# KiCad board Keyboard.kicad_pcb (continued)
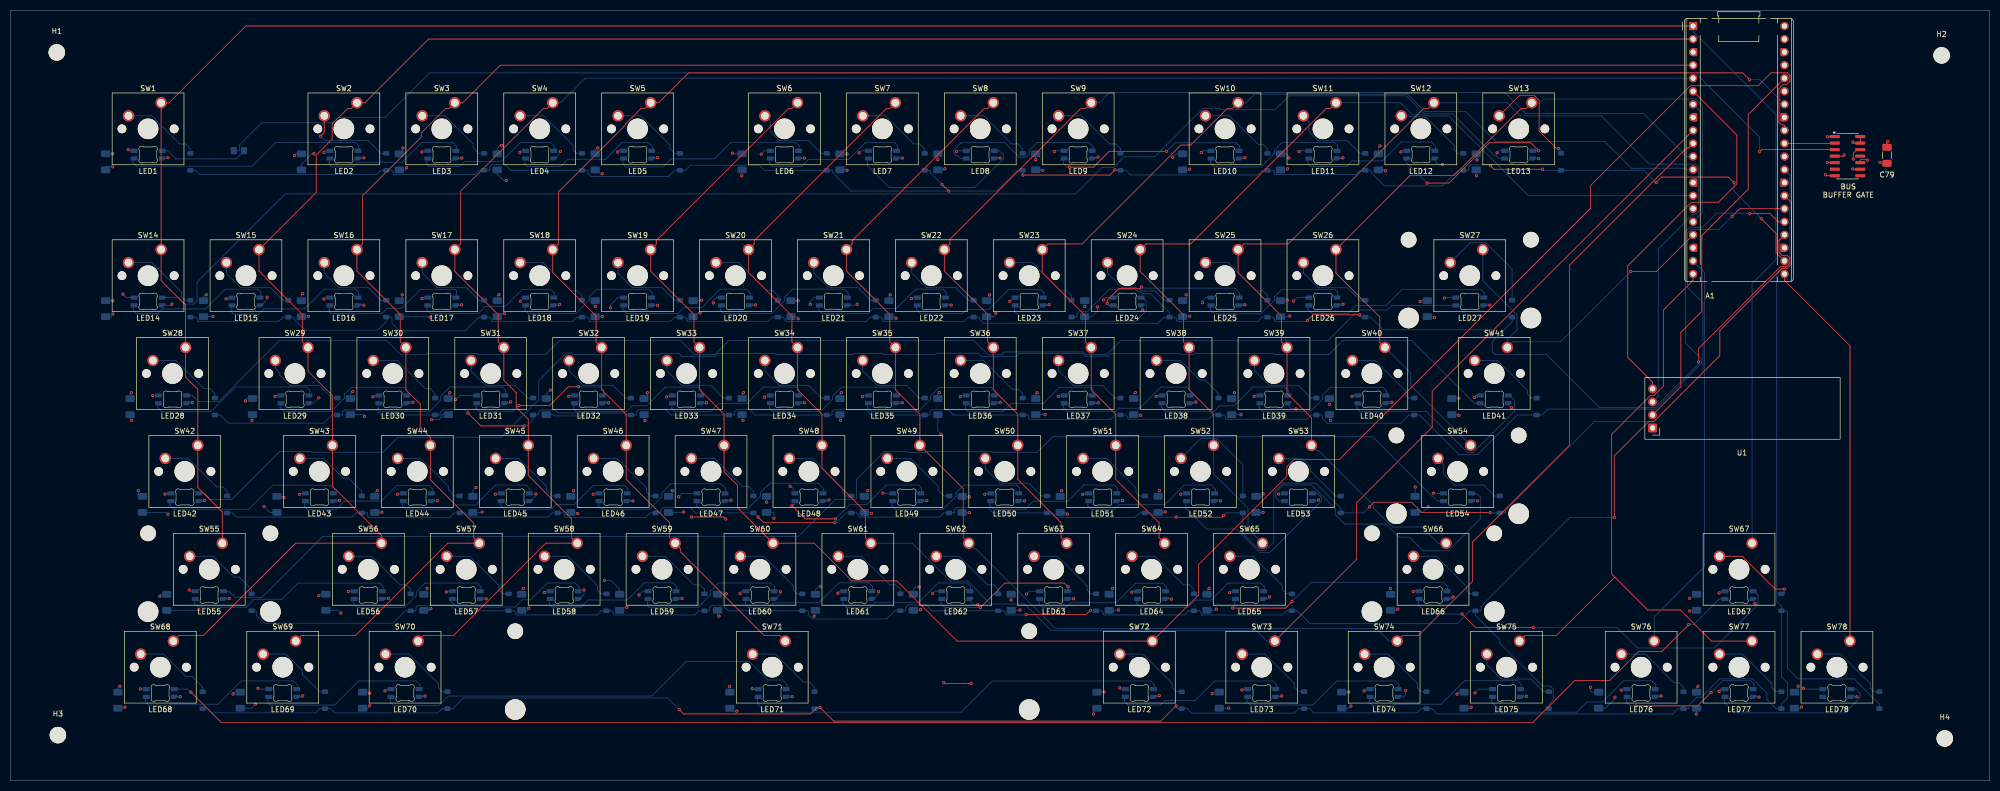
[diagram p0: board, top side]
## Footprints (pads in the part's own frame, mm; a bottom-side part is the same pattern mirrored in y, then rotated)
C_1206_3216Metric_Pad1.33x1.80mm_HandSolder
  rrect 1.325x1.8 smd: 1(-1.562,0) 2(1.562,0)
D_SOD-123
  rrect 0.9x1.2 smd: 1(-1.65,0) 2(1.65,0)
ER_OLEDM0.91_1x-I2C
  rrect 1.7x1.7 hole 1: 1(0,0)
  round 1.7 hole 1: 2(2.54,0) 3(5.08,0) 4(7.62,0)
LED_MX_6028R
  rrect 1.35x0.82 smd: 1(2.725,0.75) 2(2.725,-0.75) 3(-2.725,-0.75) 4(-2.725,0.75)
MountingHole_3.2mm_M3
  round 3.2 hole 3.2 unplated: (0,0)
R_0805_2012Metric_Pad1.20x1.40mm_HandSolder
  rrect 1.2x1.4 smd: 1(-1,0) 2(1,0)
RaspberryPi_Pico_Common_THT
  rrect 1.6x1.6 hole 1: 1(0,0)
  round 1.6 hole 1: 2(0,-2.54) 4(0,-7.62) 5(0,-10.16) 6(0,-12.7) 7(0,-15.24) 9(0,-20.32) 10(0,-22.86) 11(0,-25.4) 12(0,-27.94) 14(0,-33.02) 15(0,-35.56) 16(0,-38.1) 17(0,-40.64) 19(0,-45.72) 20(0,-48.26) 21(17.78,-48.26) 22(17.78,-45.72) 24(17.78,-40.64) 25(17.78,-38.1) 26(17.78,-35.56) 27(17.78,-33.02) 29(17.78,-27.94) 30(17.78,-25.4) 31(17.78,-22.86) 32(17.78,-20.32) 34(17.78,-15.24) 35(17.78,-12.7) 36(17.78,-10.16) 37(17.78,-7.62) 39(17.78,-2.54) 40(17.78,0)
  custom 1.6x1.6 hole 1: 3(0,-5.08) 8(0,-17.78) 13(0,-30.48) 18(0,-43.18) 23(17.78,-43.18) 28(17.78,-30.48) 33(17.78,-17.78) 38(17.78,-5.08)
SOIC-14_3.9x8.7mm_P1.27mm
  rrect 1.95x0.6 smd: 1(-2.475,3.81) 2(-2.475,2.54) 3(-2.475,1.27) 4(-2.475,0) 5(-2.475,-1.27) 6(-2.475,-2.54) 7(-2.475,-3.81) 8(2.475,-3.81) 9(2.475,-2.54) 10(2.475,-1.27) 11(2.475,0) 12(2.475,1.27) 13(2.475,2.54) 14(2.475,3.81)
SW_Cherry_MX_1.00u_PCB
  round 1.7 hole 1.7 unplated: (-7.62,-5.08) (2.54,-5.08)
  round 4 hole 4 unplated: (-2.54,-5.08)
  round 2.2 hole 1.5: 1(0,0) 2(-6.35,-2.54)
SW_Cherry_MX_1.25u_PCB
  round 1.7 hole 1.7 unplated: (-7.62,-5.08) (2.54,-5.08)
  round 4 hole 4 unplated: (-2.54,-5.08)
  round 2.2 hole 1.5: 1(0,0) 2(-6.35,-2.54)
SW_Cherry_MX_1.50u_PCB
  round 1.7 hole 1.7 unplated: (-7.62,-5.08) (2.54,-5.08)
  round 4 hole 4 unplated: (-2.54,-5.08)
  round 2.2 hole 1.5: 1(0,0) 2(-6.35,-2.54)
SW_Cherry_MX_1.75u_PCB
  round 1.7 hole 1.7 unplated: (-7.62,-5.08) (2.54,-5.08)
  round 4 hole 4 unplated: (-2.54,-5.08)
  round 2.2 hole 1.5: 1(0,0) 2(-6.35,-2.54)
SW_Cherry_MX_2.00u_PCB
  round 3.05 hole 3.05 unplated: (-14.44,1.92) (9.36,1.92)
  round 4 hole 4 unplated: (-14.44,-13.32) (-2.54,-5.08) (9.36,-13.32)
  round 1.7 hole 1.7 unplated: (-7.62,-5.08) (2.54,-5.08)
  round 2.2 hole 1.5: 1(0,0) 2(-6.35,-2.54)
SW_Cherry_MX_2.25u_PCB
  round 3.05 hole 3.05 unplated: (-14.44,1.92) (9.36,1.92)
  round 4 hole 4 unplated: (-14.44,-13.32) (-2.54,-5.08) (9.36,-13.32)
  round 1.7 hole 1.7 unplated: (-7.62,-5.08) (2.54,-5.08)
  round 2.2 hole 1.5: 1(0,0) 2(-6.35,-2.54)
SW_Cherry_MX_2.75u_PCB
  round 3.05 hole 3.05 unplated: (-14.44,1.92) (9.36,1.92)
  round 4 hole 4 unplated: (-14.44,-13.32) (-2.54,-5.08) (9.36,-13.32)
  round 1.7 hole 1.7 unplated: (-7.62,-5.08) (2.54,-5.08)
  round 2.2 hole 1.5: 1(0,0) 2(-6.35,-2.54)
SW_Cherry_MX_6.25u_PCB
  round 3.05 hole 3.05 unplated: (-52.54,1.92) (47.46,1.92)
  round 4 hole 4 unplated: (-52.54,-13.32) (-2.54,-5.08) (47.46,-13.32)
  round 1.7 hole 1.7 unplated: (-7.62,-5.08) (2.54,-5.08)
  round 2.2 hole 1.5: 1(0,0) 2(-6.35,-2.54)

## Nets
+3.3V: A1.36 U1.2
+5V: A1.40 C1.1 C2.1 C3.1 C4.1 C5.1 C6.1 C7.1 C8.1 C9.1 C10.1 C11.1 C12.1 C13.1 C14.1 C15.1 C16.1 C17.1 C18.1 C19.1 C20.1 C21.1 C22.1 C23.1 C24.1 C25.1 C26.1 C27.1 C28.1 C29.1 C30.1 C31.1 C32.1 C33.1 C34.1 C35.1 C36.1 C37.1 C38.1 C39.1 C40.1 C41.1 C42.1 C43.1 C44.1 C45.1 C46.1 C47.1 C48.1 C49.1 C50.1 C51.1 C52.1 C53.1 C54.1 C55.1 C56.1 C57.1 C58.1 C59.1 C60.1 C61.1 C62.1 C63.1 C64.1 C65.1 C66.1 C67.1 C68.1 C69.1 C70.1 C71.1 C72.1 C73.1 C74.1 C75.1 C76.1 C77.1 C78.1 C79.1 LED1.1 LED2.1 LED3.1 LED4.1 LED5.1 LED6.1 LED7.1 LED8.1 LED9.1 LED10.1 LED11.1 LED12.1 LED13.1 LED14.1 LED15.1 LED16.1 LED17.1 LED18.1 LED19.1 LED20.1 LED21.1 LED22.1 LED23.1 LED24.1 LED25.1 LED26.1 LED27.1 LED28.1 LED29.1 LED30.1 LED31.1 LED32.1 LED33.1 LED34.1 LED35.1 LED36.1 LED37.1 LED38.1 LED39.1 LED40.1 LED41.1 LED42.1 LED43.1 LED44.1 LED45.1 LED46.1 LED47.1 LED48.1 LED49.1 LED50.1 LED51.1 LED52.1 LED53.1 LED54.1 LED55.1 LED56.1 LED57.1 LED58.1 LED59.1 LED60.1 LED61.1 LED62.1 LED63.1 LED64.1 LED65.1 LED66.1 LED67.1 LED68.1 LED69.1 LED70.1 LED71.1 LED72.1 LED73.1 LED74.1 LED75.1 LED76.1 LED77.1 LED78.1 U2.4 U2.10 U2.13 U2.14
GND: A1.3 A1.8 A1.13 A1.18 A1.23 A1.28 A1.33 A1.38 C1.2 C2.2 C3.2 C4.2 C5.2 C6.2 C7.2 C8.2 C9.2 C10.2 C11.2 C12.2 C13.2 C14.2 C15.2 C16.2 C17.2 C18.2 C19.2 C20.2 C21.2 C22.2 C23.2 C24.2 C25.2 C26.2 C27.2 C28.2 C29.2 C30.2 C31.2 C32.2 C33.2 C34.2 C35.2 C36.2 C37.2 C38.2 C39.2 C40.2 C41.2 C42.2 C43.2 C44.2 C45.2 C46.2 C47.2 C48.2 C49.2 C50.2 C51.2 C52.2 C53.2 C54.2 C55.2 C56.2 C57.2 C58.2 C59.2 C60.2 C61.2 C62.2 C63.2 C64.2 C65.2 C66.2 C67.2 C68.2 C69.2 C70.2 C71.2 C72.2 C73.2 C74.2 C75.2 C76.2 C77.2 C78.2 C79.2 LED1.3 LED2.3 LED3.3 LED4.3 LED5.3 LED6.3 LED7.3 LED8.3 LED9.3 LED10.3 LED11.3 LED12.3 LED13.3 LED14.3 LED15.3 LED16.3 LED17.3 LED18.3 LED19.3 LED20.3 LED21.3 LED22.3 LED23.3 LED24.3 LED25.3 LED26.3 LED27.3 LED28.3 LED29.3 LED30.3 LED31.3 LED32.3 LED33.3 LED34.3 LED35.3 LED36.3 LED37.3 LED38.3 LED39.3 LED40.3 LED41.3 LED42.3 LED43.3 LED44.3 LED45.3 LED46.3 LED47.3 LED48.3 LED49.3 LED50.3 LED51.3 LED52.3 LED53.3 LED54.3 LED55.3 LED56.3 LED57.3 LED58.3 LED59.3 LED60.3 LED61.3 LED62.3 LED63.3 LED64.3 LED65.3 LED66.3 LED67.3 LED68.3 LED69.3 LED70.3 LED71.3 LED72.3 LED73.3 LED74.3 LED75.3 LED76.3 LED77.3 LED78.3 U1.1 U2.1 U2.5 U2.7 U2.9 U2.12
COLUMN 1: A1.1 SW1.1 SW14.1 SW28.1 SW42.1 SW55.1 SW67.1
COLUMN 2: A1.2 SW2.1 SW15.1 SW29.1 SW43.1 SW56.1 SW68.1
COLUMN 3: A1.4 SW3.1 SW16.1 SW30.1 SW44.1 SW57.1 SW69.1
COLUMN 4: A1.5 SW4.1 SW17.1 SW31.1 SW45.1 SW58.1 SW70.1
COLUMN 5: A1.34 SW5.1 SW18.1 SW32.1 SW46.1 SW59.1 SW71.1
COLUMN 6: A1.32 SW6.1 SW19.1 SW33.1 SW47.1 SW60.1 SW72.1
COLUMN 7: A1.9 SW7.1 SW20.1 SW34.1 SW48.1 SW61.1 SW73.1
COLUMN 8: A1.10 SW8.1 SW21.1 SW35.1 SW49.1 SW62.1 SW74.1
COLUMN 9: A1.11 SW9.1 SW22.1 SW36.1 SW50.1 SW63.1
COLUMN 10: A1.12 SW10.1 SW23.1 SW37.1 SW51.1 SW64.1
COLUMN 11: A1.14 SW11.1 SW24.1 SW38.1 SW52.1 SW65.1
COLUMN 12: A1.15 SW12.1 SW25.1 SW39.1 SW53.1 SW66.1
COLUMN 13: A1.16 SW13.1 SW26.1 SW40.1 SW54.1
COLUMN 14: A1.17 SW27.1 SW41.1
COLUMN 15: A1.19 SW76.1
COLUMN 16: A1.20 SW75.1 SW77.1
COLUMN 17: A1.21 SW78.1
LED: A1.31 U2.2
ROW 1: A1.22 D1.1 D2.1 D3.1 D4.1 D5.1 D6.1 D7.1 D8.1 D9.1 D10.1 D11.1 D12.1 D13.1
ROW 2: A1.24 D14.1 D15.1 D16.1 D17.1 D18.1 D19.1 D20.1 D21.1 D22.1 D23.1 D24.1 D25.1 D26.1 D27.1
ROW 3: A1.25 D28.1 D29.1 D30.1 D31.1 D32.1 D33.1 D34.1 D35.1 D36.1 D37.1 D38.1 D39.1 D40.1 D41.1
ROW 4: A1.26 D42.1 D43.1 D44.1 D45.1 D46.1 D47.1 D48.1 D49.1 D50.1 D51.1 D52.1 D53.1 D54.1
ROW 5: A1.27 D55.1 D56.1 D57.1 D58.1 D59.1 D60.1 D61.1 D62.1 D63.1 D64.1 D65.1 D66.1 D75.1
ROW 6: A1.29 D67.1 D68.1 D69.1 D70.1 D71.1 D72.1 D73.1 D74.1 D76.1 D77.1 D78.1
SCL: A1.7 U1.3
SDA: A1.6 U1.4
Net-(D1-A): D1.2 SW1.2
Net-(D2-A): D2.2 SW2.2
Net-(D3-A): D3.2 SW3.2
Net-(D4-A): D4.2 SW4.2
Net-(D5-A): D5.2 SW5.2
Net-(D6-A): D6.2 SW6.2
Net-(D7-A): D7.2 SW7.2
Net-(D8-A): D8.2 SW8.2
Net-(D9-A): D9.2 SW9.2
Net-(D10-A): D10.2 SW10.2
Net-(D11-A): D11.2 SW11.2
Net-(D12-A): D12.2 SW12.2
Net-(D13-A): D13.2 SW13.2
Net-(D14-A): D14.2 SW14.2
Net-(D15-A): D15.2 SW15.2
Net-(D16-A): D16.2 SW16.2
Net-(D17-A): D17.2 SW17.2
Net-(D18-A): D18.2 SW18.2
Net-(D19-A): D19.2 SW19.2
Net-(D20-A): D20.2 SW20.2
Net-(D21-A): D21.2 SW21.2
Net-(D22-A): D22.2 SW22.2
Net-(D23-A): D23.2 SW23.2
Net-(D24-A): D24.2 SW24.2
Net-(D25-A): D25.2 SW25.2
Net-(D26-A): D26.2 SW26.2
Net-(D27-A): D27.2 SW27.2
Net-(D28-A): D28.2 SW28.2
Net-(D29-A): D29.2 SW29.2
Net-(D30-A): D30.2 SW30.2
Net-(D31-A): D31.2 SW31.2
Net-(D32-A): D32.2 SW32.2
Net-(D33-A): D33.2 SW33.2
Net-(D34-A): D34.2 SW34.2
Net-(D35-A): D35.2 SW35.2
Net-(D36-A): D36.2 SW36.2
Net-(D37-A): D37.2 SW37.2
Net-(D38-A): D38.2 SW38.2
Net-(D39-A): D39.2 SW39.2
Net-(D40-A): D40.2 SW40.2
Net-(D41-A): D41.2 SW41.2
Net-(D42-A): D42.2 SW42.2
Net-(D43-A): D43.2 SW43.2
Net-(D44-A): D44.2 SW44.2
Net-(D45-A): D45.2 SW45.2
Net-(D46-A): D46.2 SW46.2
Net-(D47-A): D47.2 SW47.2
Net-(D48-A): D48.2 SW48.2
Net-(D49-A): D49.2 SW49.2
Net-(D50-A): D50.2 SW50.2
Net-(D51-A): D51.2 SW51.2
Net-(D52-A): D52.2 SW52.2
Net-(D53-A): D53.2 SW53.2
Net-(D54-A): D54.2 SW54.2
Net-(D55-A): D55.2 SW55.2
Net-(D56-A): D56.2 SW56.2
Net-(D57-A): D57.2 SW57.2
Net-(D58-A): D58.2 SW58.2
Net-(D59-A): D59.2 SW59.2
Net-(D60-A): D60.2 SW60.2
Net-(D61-A): D61.2 SW61.2
Net-(D62-A): D62.2 SW62.2
Net-(D63-A): D63.2 SW63.2
Net-(D64-A): D64.2 SW64.2
Net-(D65-A): D65.2 SW65.2
Net-(D66-A): D66.2 SW66.2
Net-(D67-A): D67.2 SW67.2
Net-(D68-A): D68.2 SW68.2
Net-(D69-A): D69.2 SW69.2
Net-(D70-A): D70.2 SW70.2
Net-(D71-A): D71.2 SW71.2
Net-(D72-A): D72.2 SW72.2
Net-(D73-A): D73.2 SW73.2
Net-(D74-A): D74.2 SW74.2
Net-(D75-A): D75.2 SW75.2
Net-(D76-A): D76.2 SW76.2
Net-(D77-A): D77.2 SW77.2
Net-(D78-A): D78.2 SW78.2
Net-(LED1-DIN): LED1.4 R1.1
Net-(LED1-DOUT): LED1.2 LED2.4
Net-(LED2-DOUT): LED2.2 LED3.4
Net-(LED3-DOUT): LED3.2 LED4.4
Net-(LED4-DOUT): LED4.2 LED5.4
Net-(LED5-DOUT): LED5.2 LED6.4
Net-(LED6-DOUT): LED6.2 LED7.4
Net-(LED7-DOUT): LED7.2 LED8.4
Net-(LED8-DOUT): LED8.2 LED9.4
Net-(LED10-DIN): LED9.2 LED10.4
Net-(LED10-DOUT): LED10.2 LED11.4
Net-(LED11-DOUT): LED11.2 LED12.4
Net-(LED12-DOUT): LED12.2 LED13.4
Net-(LED13-DOUT): LED13.2 LED14.4
Net-(LED14-DOUT): LED14.2 LED15.4
Net-(LED15-DOUT): LED15.2 LED16.4
Net-(LED16-DOUT): LED16.2 LED17.4
Net-(LED17-DOUT): LED17.2 LED18.4
Net-(LED18-DOUT): LED18.2 LED19.4
Net-(LED19-DOUT): LED19.2 LED20.4
Net-(LED20-DOUT): LED20.2 LED21.4
Net-(LED21-DOUT): LED21.2 LED22.4
Net-(LED22-DOUT): LED22.2 LED23.4
Net-(LED23-DOUT): LED23.2 LED24.4
Net-(LED24-DOUT): LED24.2 LED25.4
Net-(LED25-DOUT): LED25.2 LED26.4
Net-(LED26-DOUT): LED26.2 LED27.4
Net-(LED27-DOUT): LED27.2 LED28.4
Net-(LED28-DOUT): LED28.2 LED29.4
Net-(LED29-DOUT): LED29.2 LED30.4
Net-(LED30-DOUT): LED30.2 LED31.4
Net-(LED31-DOUT): LED31.2 LED32.4
Net-(LED32-DOUT): LED32.2 LED33.4
Net-(LED33-DOUT): LED33.2 LED34.4
Net-(LED34-DOUT): LED34.2 LED35.4
Net-(LED35-DOUT): LED35.2 LED36.4
Net-(LED36-DOUT): LED36.2 LED37.4
Net-(LED37-DOUT): LED37.2 LED38.4
Net-(LED38-DOUT): LED38.2 LED39.4
Net-(LED39-DOUT): LED39.2 LED40.4
Net-(LED40-DOUT): LED40.2 LED41.4
Net-(LED41-DOUT): LED41.2 LED42.4
Net-(LED42-DOUT): LED42.2 LED43.4
Net-(LED43-DOUT): LED43.2 LED44.4
Net-(LED44-DOUT): LED44.2 LED45.4
Net-(LED45-DOUT): LED45.2 LED46.4
Net-(LED46-DOUT): LED46.2 LED47.4
Net-(LED47-DOUT): LED47.2 LED48.4
Net-(LED48-DOUT): LED48.2 LED49.4
Net-(LED49-DOUT): LED49.2 LED50.4
Net-(LED50-DOUT): LED50.2 LED51.4
Net-(LED51-DOUT): LED51.2 LED52.4
Net-(LED52-DOUT): LED52.2 LED53.4
Net-(LED53-DOUT): LED53.2 LED54.4
Net-(LED54-DOUT): LED54.2 LED55.4
Net-(LED55-DOUT): LED55.2 LED56.4
Net-(LED56-DOUT): LED56.2 LED57.4
Net-(LED57-DOUT): LED57.2 LED58.4
Net-(LED58-DOUT): LED58.2 LED59.4
Net-(LED59-DOUT): LED59.2 LED60.4
Net-(LED60-DOUT): LED60.2 LED61.4
Net-(LED61-DOUT): LED61.2 LED62.4
Net-(LED62-DOUT): LED62.2 LED63.4
Net-(LED63-DOUT): LED63.2 LED64.4
Net-(LED64-DOUT): LED64.2 LED65.4
Net-(LED65-DOUT): LED65.2 LED66.4
Net-(LED66-DOUT): LED66.2 LED67.4
Net-(LED67-DOUT): LED67.2 LED68.4
Net-(LED68-DOUT): LED68.2 LED69.4
Net-(LED69-DOUT): LED69.2 LED70.4
Net-(LED70-DOUT): LED70.2 LED71.4
Net-(LED71-DOUT): LED71.2 LED72.4
Net-(LED72-DOUT): LED72.2 LED73.4
Net-(LED73-DOUT): LED73.2 LED74.4
Net-(LED74-DOUT): LED74.2 LED75.4
Net-(LED75-DOUT): LED75.2 LED76.4
Net-(LED76-DOUT): LED76.2 LED77.4
Net-(LED77-DOUT): LED77.2 LED78.4
Net-(R1-Pad2): R1.2 U2.3

Pads without a net: A1 30 35 37 39; LED78 2; U2 6 8 11

## Via types
v1: diameter 0.61, hole 0.305, Top Layer to Bottom Layer, 380 vias

## Routing (per net, layer and track width the routed paths; a pad name or vN(x,y) marks a point on that pad's centre or on a via; arc(x,y) is an arc through that point)
+3.3V: length 76.2
  Top Layer w0.16: A1.36 344.33,135.84 338.15,129.66 338.15,115.12 329.12,106.09 329.12,91.34 325.05,87.26 325.05,76.69 U1.2
+5V: length 306.7
  Top Layer w0.16: U2.4 356.61,121.56 v1(356.83,121.78) ; U2.14 U2.13 358.71,124.1 358.52,124.29 v1(358.51,124.29) ; v1(365.3,124.44) 365.16,124.3 C79.1 ; v1(361.35,120.79) 361.26,120.89 360.06,120.89 359.96,120.79 U2.10 ; v1(132.58,51.33) 138.82,51.33 v1(139.21,50.94) ; v1(186.95,18.94) 181.77,18.94 v1(181.61,19.1)
  Bottom Layer w0.16: C30.1 68.59,71.26 v1(68.93,70.93) ; 216.81,17.82 216.09,17.82 215.85,18.07 215.84,18.07 v1(215.83,18.08) ; 76.39,55.92 75.49,55.92 v1(75.32,55.76) ; C47.1 130.94,52.21 v1(131.03,52.3) ; C2.1 56.65,120.01 58.69,122.04 v1(59.07,122.04) ; v1(119.95,33.71) 118.56,33.71 C59.1 ; C36.1 180.48,68.08 v1(181.12,67.43) ; v1(21.93,94.69) 22.59,94.02 24,94.02 ; 271.6,122.6 270.8,122.6 270.59,122.39 v1(270.58,122.39) ; C18.1 94.75,90.92 v1(96.13,90.92) ; v1(219.95,71.13) 219.81,71.26 C38.1 ; 100.2,122.6 99.31,122.6 99.12,122.41 v1(99.12,122.28) ; 176.4,94.02 175.53,94.02 175.36,93.85 v1(175.35,93.85) ; v1(161.03,36.48) 161.03,36.64 161.26,36.88 162.06,36.88 ; v1(118.17,122.37) 118.17,122.37 118.4,122.6 119.25,122.6 ; v1(41.99,93.77) 42.01,93.79 42.02,93.79 42.26,94.02 43.05,94.02 ; C22.1 172.03,90.31 172.31,90.03 172.32,90.03 v1(172.34,90.02) ; C17.1 81.6,90.31 v1(81.72,90.19) ; 104.97,36.88 104.15,36.88 103.9,36.62 v1(103.89,36.62) ; C57.1 81.62,33.16 81.84,33.38 v1(81.84,33.51) ; v1(77.09,119.29) 77.09,119.14 76.84,118.89 C3.1 ; v1(229.47,119.02) 229.34,118.89 C10.1 ; 152.59,55.92 152.42,56.78 151.88,57.31 v1(151.74,57.31) ; v1(30.67,51.86) 30.32,52.21 C42.1 ; v1(27.7,74.95) 27.72,74.97 28.76,74.97 ; v1(348.93,18.01) 349.11,17.82 352.54,17.82 ; v1(224.73,52.31) 224.63,52.21 C52.1 ; 66.86,36.88 65.84,36.88 v1(65.78,36.82) ; 223.98,74.97 223.13,74.97 v1(222.96,74.81) ; 233.55,94.02 232.58,94.02 232.01,93.45 v1(232.01,93.03) ; v1(201.36,71.26) 201.35,71.26 C37.1 ; v1(123.49,70.1) 123.32,70.27 C33.1 ; 138.3,94.02 137.39,94.02 136.78,93.42 v1(136.78,93) ; 209.74,55.92 208.87,55.92 208.69,55.75 v1(208.68,55.75) ; C62.1 176.96,33.16 v1(177.1,33.3) ; v1(231.75,122.28) 232.07,122.6 233.55,122.6 ; v1(80.07,122.37) 80.07,122.38 80.08,122.38 80.3,122.6 81.09,122.6 ; 71.63,74.97 70.82,74.97 70.58,74.74 70.57,74.74 v1(70.55,74.73) ; 290.62,122.6 289.71,122.6 289.31,122.19 v1(289.3,122.19) ; 62.1,122.6 61.21,122.6 61.03,122.42 v1(61.03,122.29) ; 190.69,55.92 189.8,55.92 189.62,55.74 v1(189.6,55.74) ; C69.1 46.92,14.11 v1(47.71,14.91) ; 288.32,17.82 285.73,17.82 v1(284.98,17.08) ; v1(144.37,17.92) 144.46,17.82 145.39,17.82 ; 314.44,17.82 313.68,17.82 313.47,17.61 v1(313.45,17.61) ; v1(49.36,53.35) 49.4,53.35 50.53,52.21 C43.1 ; v1(239.46,71.25) 239.44,71.26 C39.1 ; C1.1 18.55,119.5 v1(19.92,119.5) ; C66.1 269.74,33.16 269.97,33.39 v1(269.97,33.39) ; C51.1 205.47,52.21 205.66,52.02 v1(205.66,51.88) ; 243.08,74.97 242.18,74.97 v1(242.01,74.81) ; v1(279.05,93.95) 279.13,94.02 281.18,94.02 ; C58.1 100.63,33.16 100.89,33.42 v1(100.89,33.58) ; 166.88,122.6 165.57,122.6 v1(165.15,122.19) ; v1(186.61,52.17) 186.57,52.21 C50.1 ; v1(215.64,33.23) 215.58,33.16 C64.1 ; C13.1 285.25,117.77 v1(285.27,117.75) ; C15.1 39.4,90.31 v1(39.43,90.34) ; v1(141.36,13.54) 139.99,13.54 C71.1 ; v1(191.76,91.03) 191.76,90.74 191.34,90.31 C23.1 ; C68.1 22.11,14.11 22.31,14.31 v1(22.32,14.31) ; 228.79,55.92 227.92,55.92 227.74,55.75 v1(227.73,55.75) ; C32.1 105.63,71.26 105.88,71.01 v1(111.32,71.01) ; v1(248.52,119.09) 248.51,119.09 248.31,118.89 C11.1 ; C6.1 142.38,117.79 v1(142.32,117.73) ; 31.11,55.92 30.23,55.92 v1(30.09,55.78) ; C5.1 114.04,118.89 114.86,118.07 115.09,118.07 v1(115.17,118.15) ; v1(51.52,74.81) 51.68,74.97 52.58,74.97 ; v1(142.58,70.12) 142.58,70.14 142.38,70.34 C34.1 ; v1(165.8,74.74) 165.81,74.75 165.82,74.75 166.05,74.97 166.88,74.97 ; v1(197.75,36.31) 198.31,36.88 200.21,36.88 ; v1(130.05,55.26) 130.72,55.92 133.54,55.92 ; v1(184.1,122.44) 184.26,122.6 185.93,122.6 ; C19.1 115.17,90.31 v1(115.19,90.33) ; v1(23.61,70.12) 23.49,70.12 23.31,70.3 C28.1 ; v1(64.33,32.64) 63.81,33.16 C56.1 ; v1(277.11,90.14) 277.1,90.14 276.92,90.31 C27.1 ; C40.1 256.68,70.34 256.89,70.12 v1(256.89,70.11) ; v1(34.83,37.12) 34.83,37.12 34.84,37.12 35.08,36.88 35.91,36.88 ; C44.1 72.28,52.21 v1(72.31,52.24) ; 57.34,55.92 56.45,55.92 56.25,55.73 v1(56.25,55.73) ; v1(19.96,90.83) 19.96,90.62 19.65,90.31 C14.1 ; C65.1 234.45,33.16 v1(234.68,33.39) ; v1(94.38,55.75) 94.39,55.75 94.57,55.92 95.4,55.92 ; v1(281.87,71.1) 281.71,71.26 C41.1 ; v1(218.21,36.7) 218.22,36.7 218.39,36.88 219.26,36.88 ; C74.1 260.41,14.11 260.8,14.5 260.82,14.5 v1(260.84,14.52) ; 26.38,17.82 25.36,17.82 v1(25.32,17.87) ; 264.51,17.82 263.64,17.82 263.43,17.62 v1(263.43,17.48) ; v1(272.98,36.83) 273.02,36.88 274.03,36.88 ; C53.1 243.76,52.21 v1(243.76,52.22) ; v1(284.24,14.28) 284.07,14.11 C75.1 ; v1(169.81,55.96) 169.84,55.92 171.64,55.92 ; 128.78,74.97 128,74.97 127.73,74.7 v1(127.71,74.7) ; C70.1 69.64,14.11 69.93,14.4 v1(69.93,14.59) ; v1(162.8,118.8) 162.72,118.89 C7.1 ; C48.1 148.49,52.21 148.58,52.12 v1(148.58,51.09) ; v1(110.43,52) 110.41,52.02 110.39,52.02 110.2,52.21 C46.1 ; v1(22.93,122.84) 22.93,122.83 22.94,122.83 23.17,122.6 24,122.6 ; v1(210.75,12.97) 210.75,14.11 C72.1 ; v1(181.85,119.11) 181.84,119.11 181.62,118.89 C8.1 ; v1(332.51,17.38) 332.51,17.56 332.77,17.82 333.56,17.82 ; 247.84,55.92 246.89,55.92 v1(246.77,55.8) ; v1(141.98,36.41) 141.98,36.6 142.25,36.88 143.06,36.88 ; C76.1 310.42,14.11 312.22,15.91 v1(312.22,16.26) ; v1(153.29,89.92) 153.29,90.08 153.06,90.31 C21.1 ; C12.1 267.41,118.89 v1(267.57,118.72) ; v1(167.56,52.04) 167.56,52.04 167.39,52.21 C49.1 ; v1(116.79,92.04) 116.79,92.61 118.21,94.02 119.25,94.02 ; v1(179.47,36.45) 179.89,36.88 181.09,36.88 ; 90.68,74.97 87.44,74.97 v1(86.65,74.18) ; v1(194.48,93.32) 194.56,93.32 195.27,94.02 195.45,94.02 ; C20.1 133.09,90.31 133.89,91.12 134.15,91.12 v1(134.23,91.04) ; 50.19,17.82 48.37,17.82 v1(48.2,18) ; v1(155.65,92.71) 155.65,93.25 156.42,94.02 157.35,94.02 ; 333.48,36.88 332.69,36.88 332.5,36.68 v1(332.5,36.55) ; 124.01,36.88 123.05,36.88 122.34,36.17 122.34,36.17 v1(122.33,36.16) ; v1(146.76,74.63) 146.76,74.76 146.98,74.97 147.83,74.97 ; 185.87,74.97 185.12,74.97 184.88,74.74 184.87,74.74 v1(184.85,74.73) ; C45.1 91.72,52.21 v1(91.82,52.31) ; v1(250.77,122.46) 250.91,122.6 252.6,122.6 ; 240.69,17.82 239.78,17.82 v1(239.64,17.68) ; C31.1 84.05,71.26 83.94,71.15 83.94,70.81 83.4,70.27 v1(81.99,70.27) ; v1(348.53,14.34) 348.53,14.34 348.3,14.11 C78.1 ; v1(72.91,17.49) 72.91,17.62 73.12,17.82 74.01,17.82 ; 278.74,55.92 276.95,55.92 v1(276.91,55.96) ; v1(203.92,74.8) 203.93,74.8 204.11,74.97 204.9,74.97 ; v1(161.54,70.13) 161.43,70.25 C35.1 ; v1(249.7,93.36) 250.36,94.02 252.54,94.02 ; v1(137.91,32.04) 137.8,32.04 137.61,32.22 C60.1 ; v1(229.49,90.4) 229.4,90.31 C25.1 ; v1(200.9,118.79) 200.8,118.89 C9.1 ; v1(96.5,116.84) 95.96,116.84 94.75,118.04 C4.1 ; 109.72,74.97 108.82,74.97 v1(108.67,74.83) ; v1(261.07,74.81) 261.23,74.97 262.05,74.97 ; C73.1 237.07,14.11 v1(237.08,14.12) ; C63.1 196.4,33.16 v1(196.45,33.21) ; 147.83,122.6 146.78,122.6 v1(146.12,121.94) ; v1(248.98,90.45) 248.84,90.31 C26.1 ; v1(211.52,92.21) 211.52,91.43 210.41,90.31 C24.1 ; v1(47.02,70.14) 47.12,70.24 C29.1 ; 62.1,94.02 61.33,94.02 61.06,93.76 61.05,93.76 v1(61.04,93.74) ; v1(156.39,32.02) 156.39,32.02 156.66,32.3 C61.1 ; 85.91,36.88 85,36.88 v1(84.86,36.73) ; v1(237.25,36.62) 237.27,36.62 237.52,36.88 238.31,36.88 ; v1(212.72,93.59) 213.16,94.02 214.5,94.02 ; 204.98,122.6 203.31,122.6 v1(203.15,122.44) ; 100.2,94.02 100.02,94.02 99.31,93.32 v1(99.24,93.32) ; 81.15,94.02 80.28,94.02 80.11,93.85 v1(80.1,93.85) ; C77.1 328.11,13.02 v1(328.06,12.97) ; v1(36.71,33.3) 36.57,33.16 C55.1 ; C54.1 274.77,52.21 v1(275.88,53.33) ; v1(326.74,33.03) 326.88,33.16 C67.1 ; v1(58.03,90.38) 57.96,90.31 C16.1 ; v1(284.87,74.59) 284.87,74.74 285.11,74.97 285.94,74.97 ; v1(113.43,55.75) 113.44,55.75 113.62,55.92 114.41,55.92
GND: length 235.2
  Top Layer w0.153: v1(363.78,120.34) 363.96,120.17 C79.2 ; U2.9 358.55,119.02 v1(358.52,119.05) ; v1(358.61,120.99) 358.61,122.15 359.29,122.83 U2.12 ; U2.7 353.36,117.75 v1(353.19,117.93) ; v1(353.53,120.33) 353.57,120.29 U2.5 ; v1(353.57,125.33) 353.61,125.37 U2.1
  Bottom Layer w0.153: 29.62,92.52 31.2,92.52 v1(31.44,92.76) ; C34.2 142.38,75.24 142.63,75.5 142.63,75.51 v1(142.65,75.54) ; 86.77,121.1 87.77,121.1 v1(87.85,121.18) ; C42.2 24.91,55.34 v1(24.91,56.47) ; v1(55.28,121.68) 55.28,121.81 55.48,122.01 C2.2 ; v1(60.02,74.52) 60,74.52 58.96,73.47 58.19,73.47 ; v1(76.27,94.57) 76.27,93.44 C17.2 ; 296.32,121.1 297.36,121.1 v1(297.38,121.08) ; v1(42.6,35.46) 42.52,35.38 41.53,35.38 ; 284.41,54.42 285.42,54.42 v1(285.48,54.48) ; v1(144.98,92.58) 144.92,92.52 143.92,92.52 ; 220.12,92.52 220.3,91.7 220.3,91.66 v1(220.34,91.62) ; 34.38,73.47 35.34,73.47 v1(35.46,73.59) ; v1(218.91,75.55) 218.77,75.55 218.57,75.36 C38.2 ; C10.2 226.89,122.01 226.2,121.32 v1(226.19,121.32) ; v1(105.1,76.02) 105.01,76.02 104.28,75.29 C32.2 ; 210.59,73.47 211.6,73.47 v1(211.69,73.56) ; v1(71.45,56.48) 71.24,56.48 70.94,56.17 C44.2 ; C75.2 281.72,17.24 281.49,17.01 v1(281.49,16.84) ; v1(228.81,94.57) 228.81,93.44 C25.2 ; v1(139.32,36.38) 139.23,36.29 C60.2 ; v1(216.43,54.53) 216.33,54.42 215.36,54.42 ; v1(225.96,35.34) 225.93,35.38 224.88,35.38 ; v1(347.87,18.38) 347.87,17.24 C78.2 ; C18.2 94.75,94.41 94.95,94.6 v1(95.08,94.6) ; v1(168.95,36.81) 168.95,36.41 167.91,35.38 167.73,35.38 ; C61.2 156.66,37.16 157.29,37.79 v1(157.71,37.79) ; v1(49.97,94.1) 49.97,93.65 48.85,92.52 48.67,92.52 ; v1(199.8,75.54) 199.78,75.51 199.78,75.5 199.52,75.24 C37.2 ; 248.69,73.47 248.85,72.78 249.27,72.36 v1(250.15,72.36) ; v1(69.93,17.03) 69.91,17.03 69.71,17.24 C70.2 ; C54.2 273.34,57.13 v1(273.38,57.17) ; 62.96,54.42 63.91,54.42 v1(64.04,54.56) ; 115.34,73.47 116.32,73.47 v1(116.41,73.57) ; 358.23,16.32 359.3,16.32 v1(359.3,16.33) ; C74.2 260.4,17.24 v1(260.43,17.27) ; v1(188.23,34.25) 187.35,34.25 186.94,34.67 186.78,35.38 ; v1(295.01,16.42) 294.91,16.32 293.94,16.32 ; 91.53,35.38 92.56,35.38 v1(92.59,35.41) ; 139.16,54.42 140.07,54.42 v1(140.24,54.6) ; 124.87,121.1 125.78,121.1 v1(125.95,121.27) ; v1(212.82,17.28) 212.79,17.24 C72.2 ; 105.82,121.1 106,121.1 106.72,121.82 106.72,122.16 v1(107.04,122.47) ; 67.72,92.52 68.77,92.52 v1(68.8,92.55) ; v1(176.87,37.71) 176.03,37.71 175.71,37.39 C62.2 ; v1(321.2,16.5) 321.19,16.5 321.01,16.32 320.13,16.32 ; v1(209.07,92.29) 209.05,92.31 C24.2 ; 79.63,16.32 80.53,16.32 v1(80.68,16.48) ; C66.2 268.58,37.4 v1(268.54,37.44) ; C63.2 194.76,35.2 v1(194.73,35.16) ; v1(154.51,73.57) 154.42,73.47 153.44,73.47 ; C15.2 37.6,94.27 37.92,94.59 v1(38.13,94.59) ; v1(115.61,38.99) 116.84,38.99 118.56,37.28 C59.2 ; v1(111.63,37.11) 111.63,36.25 110.76,35.38 110.58,35.38 ; v1(78.33,73.67) 78.32,73.67 78.12,73.47 77.24,73.47 ; v1(153.29,93.42) 153.27,93.44 C21.2 ; v1(230.7,73.71) 230.7,73.71 230.47,73.47 229.64,73.47 ; 67.72,121.1 68.68,121.1 v1(68.8,121.22) ; C26.2 248.45,93.44 v1(248.52,93.5) ; v1(102.27,55.8) 102.27,55.46 101.24,54.42 101.06,54.42 ; v1(199.52,120.85) C9.2 ; C4.2 94.75,123.12 95.28,123.65 v1(95.57,123.65) ; C41.2 281.82,74.39 v1(281.87,74.44) ; v1(66.65,75.77) 66.65,75.75 66.18,75.28 C30.2 ; C31.2 85.22,75.24 85.48,75.5 85.48,75.51 v1(85.5,75.53) ; 222.5,16.32 223.32,16.32 223.56,16.56 v1(223.57,16.56) ; v1(259.29,121.25) 259.14,121.1 258.22,121.1 ; C69.2 43.57,17.24 43.36,17.02 v1(43.36,16.86) ; C6.2 140.64,122.01 v1(140.51,122.14) ; C12.2 266.2,123.24 v1(266.5,123.54) ; v1(238.19,75.55) 238.19,74.39 C39.2 ; v1(147.15,54.21) 147.14,54.22 C48.2 ; 210.59,121.1 211.38,121.1 211.65,121.37 211.65,121.37 v1(211.66,121.38) ; v1(186.61,55.25) 186.52,55.34 C50.2 ; 191.55,121.1 192.52,121.1 v1(192.61,121.19) ; 162.97,92.52 164.58,92.52 v1(164.79,92.73) ; C77.2 328.11,18.09 328.39,18.37 v1(328.39,18.38) ; v1(152.14,16.37) 152.1,16.32 151.06,16.32 ; v1(180.75,75.54) 180.48,75.26 C36.2 ; 72.48,35.38 73.43,35.38 v1(73.55,35.49) ; v1(123.97,75.53) 123.97,74.39 C33.2 ; C19.2 113.8,92.32 v1(113.82,92.31) ; v1(130.71,35.45) 130.63,35.38 129.63,35.38 ; 172.5,73.47 173.46,73.47 v1(173.56,73.58) ; v1(259.3,92.74) 259.29,92.74 259.08,92.52 258.22,92.52 ; v1(248.79,121.2) 248.79,121.52 248.3,122.01 C11.2 ; C40.2 256.68,73.27 v1(256.69,73.26) ; 177.26,54.42 178.24,54.42 v1(178.32,54.51) ; C3.2 76.38,122.01 v1(76.38,123.14) ; v1(240.23,121.26) 240.08,121.1 239.17,121.1 ; v1(33.07,16.35) 33.04,16.32 32,16.32 ; v1(161.7,75.54) 161.43,75.26 C35.2 ; v1(245.01,35.79) 245.01,35.62 244.77,35.38 243.93,35.38 ; C57.2 81.1,36.29 v1(81.1,37.45) ; 148.68,35.38 148.86,35.38 149.84,36.36 v1(149.84,36.79) ; v1(240.22,92.64) 240.11,92.52 239.17,92.52 ; v1(235.46,54.47) 235.42,54.42 234.41,54.42 ; C68.2 20.93,18.15 21.18,18.4 v1(21.35,18.4) ; 339.18,35.38 339.32,34.68 339.32,34.65 v1(339.49,34.48) ; 205.83,35.38 206.85,35.38 v1(206.89,35.42) ; 291.56,73.47 291.67,72.9 291.97,72.6 v1(292.1,72.6) ; v1(56.89,16.51) 56.87,16.51 56.69,16.32 55.81,16.32 ; v1(197.37,54.47) 197.32,54.42 196.31,54.42 ; 96.29,73.47 97.08,73.47 97.34,73.74 v1(97.36,73.74) ; 253.46,54.42 254.32,54.42 254.52,54.63 v1(254.53,54.63) ; v1(247.37,16.51) 247.36,16.51 247.17,16.32 246.31,16.32 ; C67.2 327.88,36.29 327.04,35.45 326.8,35.45 v1(326.73,35.52) ; 267.74,73.47 268.6,73.47 268.79,73.66 v1(268.8,73.66) ; C1.2 19.91,122.01 v1(19.92,122) ; C7.2 v1(162.8,122.01) ; v1(214.46,37.43) 214.46,36.29 C64.2 ; v1(278.7,119.96) 277.86,119.96 277.41,120.41 277.27,121.1 ; v1(223.61,56.49) 223.61,56.47 223.34,56.19 C52.2 ; C76.2 307.72,17.24 307.49,17.47 v1(307.49,18.18) ; v1(114.31,123.16) 114.11,123.16 113.8,122.85 C5.2 ; v1(19.95,93.4) 19.91,93.44 C14.2 ; 201.07,92.52 202,92.52 v1(202.14,92.66) ; v1(287.87,92.57) 287.82,92.52 286.8,92.52 ; C8.2 v1(180.47,120.89) ; v1(233.85,16.93) 233.86,16.93 234.17,17.24 C73.2 ; C45.2 89.99,56.41 v1(90.63,57.05) ; C20.2 134.41,93.44 v1(134.49,93.52) ; C58.2 99.51,37.12 99.82,37.43 99.82,37.44 v1(99.83,37.44) ; C51.2 204.29,56.19 204.56,56.47 v1(204.56,56.49) ; C65.2 232.86,37.2 233.1,37.44 v1(233.26,37.44) ; v1(121.16,54.45) 121.14,54.42 120.11,54.42 ; C55.2 29.31,36.29 29.09,36.07 v1(29.09,35.92) ; C13.2 285.25,120.92 v1(285.37,120.8) ; 339.18,16.32 340.21,16.32 v1(340.25,16.28) ; C46.2 109.61,55.34 v1(109.61,56.47) ; 36.76,54.42 37.69,54.42 v1(37.82,54.55) ; v1(60.02,36.02) 60.03,36.03 60.05,36.03 60.3,36.29 C56.2 ; 86.77,92.52 87.72,92.52 v1(87.82,92.63) ; v1(45.74,73.9) 45.74,74.09 46.03,74.39 C29.2 ; v1(173.57,121.18) 173.49,121.1 172.5,121.1 ; C27.2 274.5,93.44 v1(274.32,93.25) ; v1(171.23,94.59) 171.23,94.57 170.95,94.29 C22.2 ; 124.87,92.52 125.94,92.52 v1(125.94,92.52) ; 191.54,73.47 192.46,73.47 v1(192.62,73.63) ; v1(30.68,121.29) 30.67,121.29 30.48,121.1 29.62,121.1 ; v1(190.52,94.57) 190.52,93.44 C23.2 ; C53.2 243.48,55.34 243.78,55.64 v1(243.78,55.85) ; v1(128.79,56.47) 128.79,55.34 C47.2 ; v1(135.47,73.58) 135.36,73.47 134.39,73.47 ; C16.2 56.65,94.56 v1(56.89,94.8) ; v1(183.09,92.57) 183.05,92.52 182.02,92.52 ; 279.65,35.38 280.49,35.38 280.72,35.61 v1(280.72,35.77) ; v1(159.28,54.65) 159.27,54.65 159.05,54.42 158.21,54.42 ; v1(139.95,18.37) 139.99,18.33 C71.2 ; v1(154.5,121.18) 154.42,121.1 153.44,121.1 ; v1(23.56,75.53) 23.56,75.53 23.31,75.28 C28.2 ; v1(83.09,54.52) 83,54.42 82.01,54.42 ; v1(271.48,17.56) 271.48,16.65 271.16,16.32 270.12,16.32 ; C49.2 166.82,55.34 v1(166.82,56.47) ; v1(106.88,92.71) 106.86,92.71 106.68,92.52 105.82,92.52 ; v1(53.28,55.1) 53.27,55.11 53.27,55.11 53.04,55.34 C43.2
COLUMN 1: length 504.2
  Top Layer w0.153: SW55.1 41.26,52.28 36.49,57.05 36.49,63.73 SW42.1 36.49,66.82 36.49,76.15 34.11,78.53 SW28.1 34.11,92.55 29.35,97.32 SW14.1 SW1.1 30.9,131.95 45.83,146.89 A1.1
  Bottom Layer w0.153: A1.1 327.44,145.82 343.55,129.71 343.55,101.42 338.91,96.78 SW67.1
COLUMN 2: length 417.4
  Top Layer w0.153: SW68.1 32.83,28.27 37.55,28.27 55.51,46.22 SW56.1 72.21,47.77 62.69,57.3 SW43.1 62.69,74.95 57.93,79.71 SW29.1 56.83,85.42 56.83,90.76 48.4,99.19 SW15.1 59.54,114.52 59.54,121.78 62.63,124.87 62.63,127.84 65.65,130.86 66.36,130.86 SW2.1 69,131.95 81.39,144.35 A1.2
COLUMN 3: length 391.5
  Top Layer w0.153: A1.4 95.36,139.27 88.05,131.95 SW3.1 85.41,130.86 84.73,130.86 80.03,126.15 80.03,125.35 68.54,113.87 68.54,104.47 SW16.1 67.45,99.19 75.88,90.76 75.88,85.42 SW30.1 76.97,76.1 79.78,73.29 79.78,68.78 81.74,66.82 SW44.1 81.74,58.59 90.17,50.15 90.17,47.32 SW57.1 85.11,46.22 67.15,28.27 56.64,28.27 SW69.1
